# KiCad board MiniCalc_A.kicad_pcb (continued)
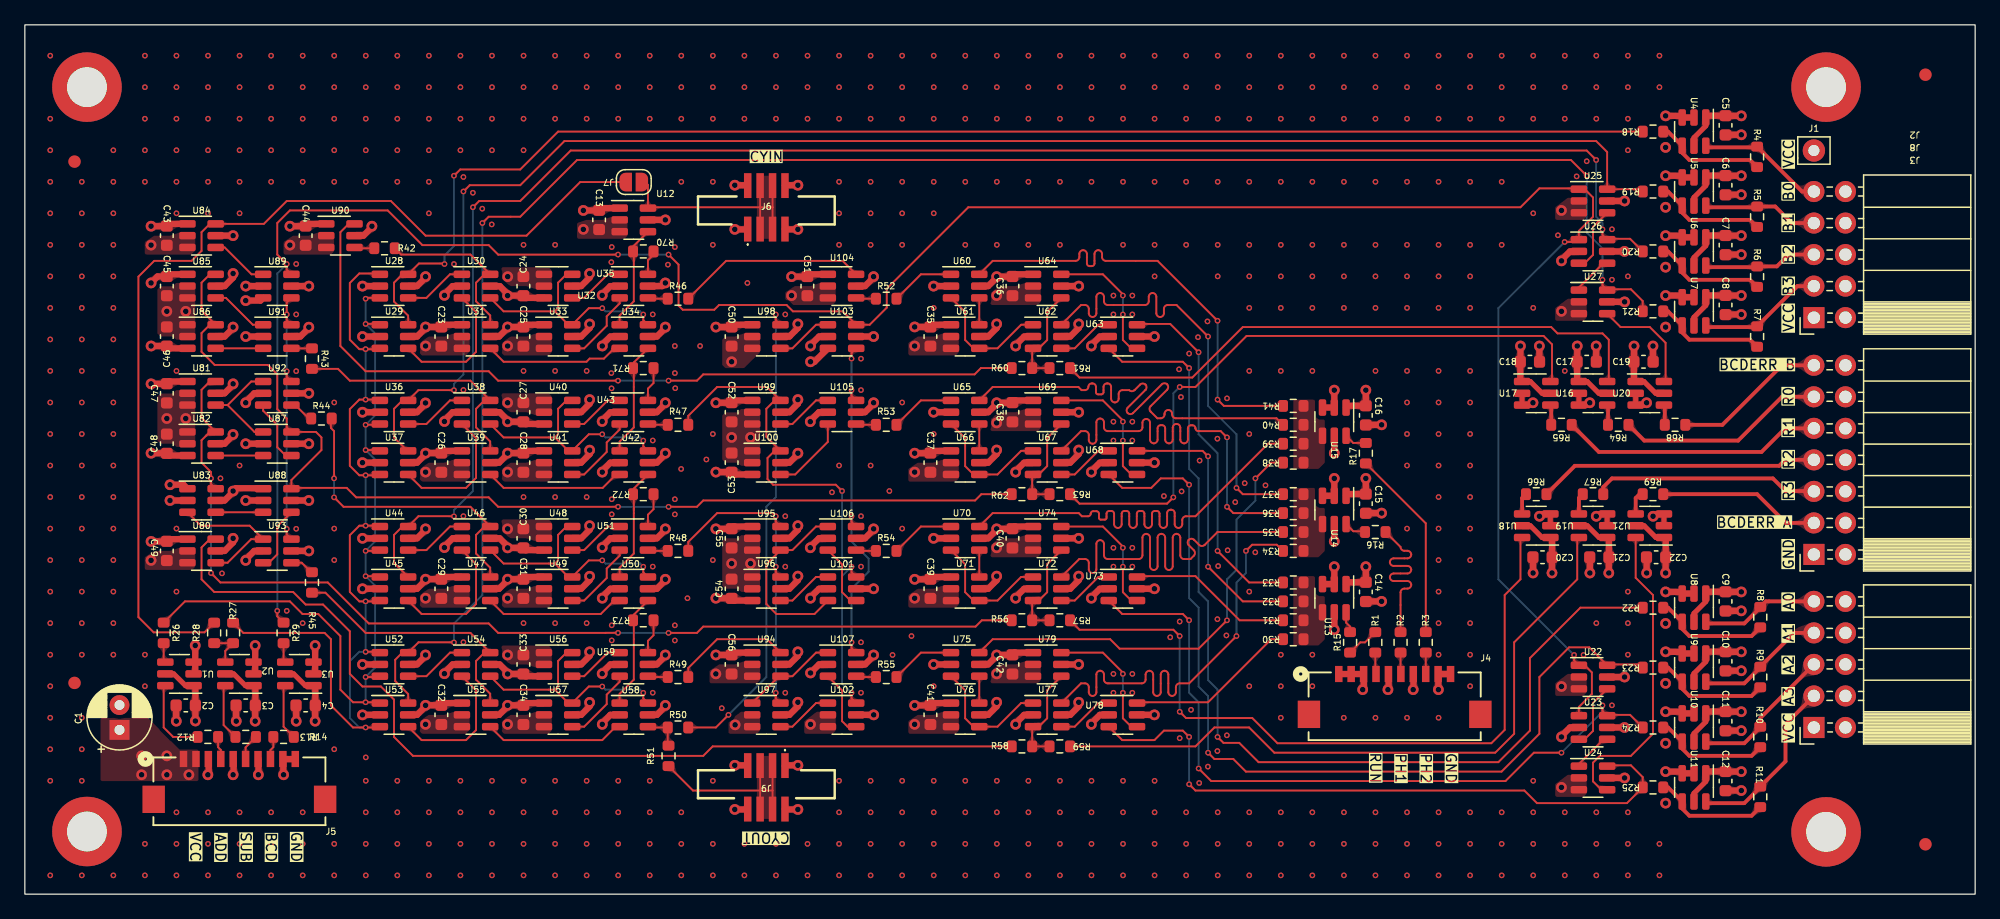
[diagram p0: board, top side]
## Nets (continued)
Net-(U25-Pad4): U25.4 U26.3
Net-(U26-Pad4): U26.4 U27.1
Net-(U28-Pad4): U28.4 U30.1
Net-(U29-Pad4): U29.4 U30.3
Net-(U30-Pad4): U30.4 U32.6 U33.6 U34.6
Net-(U31-Pad4): U31.4 U34.3
Net-(U32-Pad4): U32.4 U35.1
Net-(U33-Pad4): U33.4 U35.3
Net-(U36-Pad4): U36.4 U38.1
Net-(U37-Pad4): U37.4 U38.3
Net-(U38-Pad4): U38.4 U40.6 U41.6 U42.6
Net-(U39-Pad4): U39.4 U42.3
Net-(U40-Pad4): U40.4 U43.1
Net-(U41-Pad4): U41.4 U43.3
Net-(U44-Pad4): U44.4 U46.1
Net-(U45-Pad4): U45.4 U46.3
Net-(U46-Pad4): U46.4 U48.6 U49.6 U50.6
Net-(U47-Pad4): U47.4 U50.3
Net-(U48-Pad4): U48.4 U51.1
Net-(U49-Pad4): U49.4 U51.3
Net-(U52-Pad4): U52.4 U54.1
Net-(U53-Pad4): U53.4 U54.3
Net-(U54-Pad4): U54.4 U56.6 U57.6 U58.6
Net-(U55-Pad4): U55.4 U58.3
Net-(U56-Pad4): U56.4 U59.1
Net-(U57-Pad4): U57.4 U59.3
Net-(U60-Pad3): U60.3 U61.4 U62.1
Net-(U60-Pad4): U60.4 U61.6
Net-(U62-Pad4): U62.4 U63.1
Net-(U63-Pad4): U63.4 U64.6
Net-(U65-Pad3): U65.3 U66.4 U67.1
Net-(U65-Pad4): U65.4 U66.6
Net-(U67-Pad4): U67.4 U68.1
Net-(U68-Pad4): U68.4 U69.6
Net-(U70-Pad3): U70.3 U71.4 U72.1
Net-(U70-Pad4): U70.4 U71.6
Net-(U72-Pad4): U72.4 U73.1
Net-(U73-Pad4): U73.4 U74.6
Net-(U75-Pad3): U75.3 U76.4 U77.1
Net-(U75-Pad4): U75.4 U76.6
Net-(U77-Pad4): U77.4 U78.1
Net-(U78-Pad4): U78.4 U79.6
Net-(U80-Pad4): U80.4 U83.3 U93.1
Net-(U81-Pad4): U81.4 U87.1 U92.1
Net-(U82-Pad4): U82.4 U87.3
Net-(U83-Pad4): U83.4 U88.3
Net-(U84-Pad4): U84.4 U89.1
Net-(U85-Pad4): U85.4 U91.1
Net-(U86-Pad4): U86.4 U91.3
Net-(U87-Pad4): U87.4 U92.3
Net-(U88-Pad4): U88.4 U93.3
Net-(U100-Pad4): U100.4 U105.3
Net-(U101-Pad1): U96.4 U101.1
Net-(U101-Pad3): U95.4 U101.3 U106.1
Net-(U101-Pad4): U101.4 U106.3
Net-(U102-Pad1): U97.4 U102.1
Net-(U102-Pad4): U102.4 U107.3
Net-(U103-Pad1): U98.4 U103.1
Net-(U105-Pad1): U99.4 U105.1
Net-(U107-Pad1): U94.4 U97.1 U107.1

Pads without a net: H1 1; H2 1; H3 1; H4 1; J4 11 12; J5 11 12

## Via types
v1: diameter 0.457, hole 0.254, Top to Bottom, 755 vias
v2: diameter 0.864, hole 0.457, Top to Bottom, 288 vias

## Routing (per net, layer and track width the routed paths; a pad name or vN(x,y) marks a point on that pad's centre or on a via; arc(x,y) is an arc through that point)
GND: length 166.9
  Top w0.406: v2(121.93,30.45) 122.11,30.64 U18.3 U18.2 ; v2(125.98,39.59) 125.79,39.4 U16.3 U16.2 ; v2(131.07,30.45) 131.26,30.64 U21.3 U21.2 ; U19.2 U19.3 126.69,30.64 v2(126.5,30.45) ; U20.2 U20.3 130.36,39.4 v2(130.55,39.59) ; v2(121.41,39.59) 121.22,39.4 U17.3 U17.2
  Top w0.508: v2(27.18,48.99) U28.2 ; C6.2 136.92,56.36 v2(138.18,56.36) ; v2(105.41,26.38) U13.2 U13.3 ; v2(46.47,17.76) 46.47,17.85 47.13,18.51 U59.2 ; v2(121.41,25.88) 121.41,27.13 C20.2 ; U50.2 47.13,24.61 46.48,23.95 v2(46.48,23.84) ; v2(20.83,9.62) 20.81,9.64 20.81,10.88 21.81,10.88 ; v2(27.18,44.93) U29.2 ; U106.2 63.92,28.67 63.23,27.97 v2(63.23,27.91) ; U38.2 34.43,38.83 33.77,38.17 v2(33.77,38.08) ; 64.64,18.51 63.93,18.51 v2(63.25,17.82) ; U23.2 124.39,13.43 123.7,12.74 v2(123.7,12.67) ; v2(73.15,38.83) U65.2 ; J4.1 J4.3 ; U1.2 13.72,17.88 v2(13.72,20.03) ; U46.2 34.43,28.67 33.77,28.01 v2(33.77,27.92) ; 61.19,6.85 61.21,6.83 v2(62.23,6.83) ; v2(109.22,23.59) 107.96,23.59 C14.2 ; v2(132.08,19.53) 133.28,19.53 U9.3 U9.2 ; v2(132.08,57.88) 133.28,57.88 U5.3 U5.2 ; 136.91,22.81 136.92,22.83 v2(138.18,22.83) ; C15.2 107.96,30.7 v2(109.22,30.7) ; v2(73.15,28.67) U70.2 ; U11.2 U11.3 133.28,9.87 v2(132.08,9.87) ; U37.2 v2(27.18,34.77) ; v2(62.23,57.12) 61.22,57.12 J6.4 ; C4.2 21.84,15.19 v2(21.84,13.94) ; v2(126.49,44.16) 126.49,42.91 C17.2 ; v2(63.25,44.16) 63.25,44.24 63.93,44.93 U103.2 ; C22.2 130.56,27.13 v2(130.56,25.88) ; v2(105.41,33.5) U14.2 U14.3 ; U15.3 U15.2 v2(105.41,40.61) ; v2(79.76,23.84) 79.76,23.92 80.44,24.61 U72.2 ; U58.2 47.13,14.45 46.48,13.79 v2(46.48,13.68) ; U92.2 18.47,40.35 17.78,39.67 v2(17.78,39.59) ; v2(121.92,44.16) 121.92,42.91 C18.2 ; v2(111.76,16.48) 111.79,16.5 111.79,17.74 ; v2(11.68,31.72) U83.2 ; v2(79.76,34) 79.76,34.08 80.44,34.77 U67.2 ; v2(109.73,16.48) 109.79,16.54 109.79,17.74 ; U42.2 47.13,34.77 46.48,34.11 v2(46.48,34) ; 85.85,44.24 86.54,44.93 U63.2 ; U26.2 124.39,51.78 123.7,51.1 v2(123.7,51.02) ; v2(131.06,44.16) 131.06,42.91 C19.2 ; v2(16.76,9.62) 16.81,9.66 16.81,10.88 ; v2(57.15,10.38) 58.16,10.38 58.19,10.35 ; 85.85,23.92 86.54,24.61 U73.2 ; U6.2 U6.3 133.28,53.05 v2(132.08,53.05) ; C10.2 136.92,18 v2(138.18,18) ; v2(57.15,6.83) 58.17,6.83 58.19,6.85 ; v2(14.73,9.62) 14.81,9.69 14.81,10.88 ; v2(18.54,20.03) 18.54,17.88 U2.2 ; v2(125.98,25.88) 125.98,27.13 C21.2 ; v2(63.23,38.07) 63.23,38.13 63.92,38.83 U105.2 ; v2(138.18,51.53) 136.92,51.53 C7.2 ; U52.2 v2(27.18,18.51) ; 18.81,10.88 18.81,9.63 v2(18.8,9.62) ; v2(33.77,17.76) 33.77,17.85 34.43,18.51 U54.2 ; v2(132.08,14.7) 133.28,14.7 U10.3 U10.2 ; 61.19,10.35 61.22,10.38 v2(62.23,10.38) ; v2(17.78,48.99) U89.2 ; C11.2 136.92,13.18 v2(138.18,13.18) ; v2(138.18,8.35) 136.92,8.35 C12.2 ; J6.1 58.16,57.12 v2(57.15,57.12) ; v2(109.22,37.81) 107.96,37.81 C16.2 ; U4.2 U4.3 133.28,62.71 v2(132.08,62.71) ; v2(23.37,20.03) 23.37,17.88 U3.2 ; v2(46.47,38.08) 46.47,38.17 47.13,38.83 U43.2 ; v2(33.77,48.24) 33.77,48.33 34.43,48.99 U30.2 ; U44.2 v2(27.18,28.67) ; U53.2 v2(27.18,14.45) ; v2(62.23,53.56) 61.21,53.56 J6.4 ; v2(17.78,31.72) U88.2 ; v2(46.47,48.24) 46.47,48.33 47.13,48.99 U35.2 ; v2(113.79,16.48) 113.79,16.48 113.79,17.74 114.79,17.74 ; v2(132.08,24.35) 133.28,24.35 U8.3 U8.2 ; U68.2 86.54,34.77 85.85,34.08 ; v2(57.15,53.56) 58.17,53.56 J6.1 ; v2(46.47,27.92) 46.47,28.01 47.13,28.67 U51.2 ; v2(132.08,48.23) 133.28,48.23 U7.3 U7.2 ; v2(17.78,26.89) 17.78,26.97 18.47,27.65 U93.2 ; U78.2 86.54,14.45 85.85,13.76 ; v2(63.24,23.84) 63.24,23.91 63.93,24.61 U101.2 ; v2(138.18,61.18) 136.92,61.18 C5.2 ; U34.2 47.13,44.93 46.48,44.27 v2(46.48,44.16) ; U77.2 80.44,14.45 79.76,13.76 v2(79.76,13.68) ; v2(17.78,44.93) U91.2 ; 107.79,17.74 107.79,16.57 v2(107.7,16.48) ; U45.2 v2(27.18,24.61) ; v2(73.15,18.51) U75.2 ; U36.2 v2(27.18,38.83) ; v2(73.15,48.99) U60.2 ; v2(17.78,36.29) U87.2 ; C8.2 136.92,46.7 v2(138.18,46.7) ; 12.18,15.21 12.18,14.09 ; C3.2 17,13.95 ; v2(79.76,44.16) 79.76,44.24 80.44,44.93 U62.2
  vias: v1(2.04,67.55) v1(2.04,62.47) v1(2.04,59.93) v1(2.04,57.39) v1(2.04,54.85) v1(2.04,52.31) v1(2.04,49.77) v1(2.04,47.23) v1(2.04,44.69) v1(2.04,42.16) v1(2.04,39.61) v1(2.04,37.07) v1(2.04,34.53) v1(2.04,31.99) v1(2.04,29.45) v1(2.04,26.91) v1(2.04,24.38) v1(2.04,21.83) v1(2.04,19.29) v1(2.04,16.75) v1(2.04,14.21) v1(2.04,11.67) v1(2.04,9.13) v1(2.04,1.51) v1(4.58,57.39) v1(4.58,54.85) v1(4.58,52.31) v1(4.58,49.77) v1(4.58,47.23) v1(4.58,44.69) v1(4.58,42.16) v1(4.58,39.61) v1(4.58,37.07) v1(4.58,34.53) v1(4.58,31.99) v1(4.58,29.45) v1(4.58,26.91) v1(4.58,24.38) v1(4.58,21.83) v1(4.58,19.29) v1(4.58,14.21) v1(4.58,11.67) v1(4.58,9.13) v1(4.58,1.51) v1(7.12,59.93) v1(7.12,57.39) v1(7.12,54.85) v1(7.12,52.31) v1(7.12,49.77) v1(7.12,47.23) v1(7.12,44.69) v1(7.12,42.16) v1(7.12,39.61) v1(7.12,37.07) v1(7.12,34.53) v1(7.12,31.99) v1(7.12,29.45) v1(7.12,26.91) v1(7.12,24.38) v1(7.12,21.83) v1(7.12,19.29) v1(7.12,1.51) v1(9.66,67.55) v1(9.66,65.01) v1(9.66,62.47) v1(9.66,59.93) v1(9.66,57.39) v1(9.66,19.29) v1(9.66,16.75) v1(9.66,4.05) v1(9.66,1.51) v1(12.2,67.55) v1(12.2,65.01) v1(12.2,62.47) v1(12.2,59.93) v1(12.2,57.39) v1(12.2,54.85) v1(12.2,42.16) v1(12.2,29.45) v1(12.2,24.38) v1(12.2,6.59) v1(12.2,4.05) v1(12.2,1.51) v1(14.74,67.55) v1(14.74,65.01) v1(14.74,62.47) v1(14.74,59.93) v1(14.74,57.39) v1(14.74,54.85) v1(14.74,6.59) v1(14.74,4.05) v1(14.74,1.51) v1(15.75,33.5) v1(15.87,25.85) v1(17.28,67.55) v1(17.28,65.01) v1(17.28,62.47) v1(17.28,59.93) v1(17.28,57.39) v1(17.28,54.85) v1(17.28,34.53) v1(17.28,6.59) v1(17.28,4.05) v1(17.28,1.51) v1(19.82,67.55) v1(19.82,65.01) v1(19.82,62.47) v1(19.82,59.93) v1(19.82,57.39) v1(19.82,6.59) v1(19.82,4.05) v1(19.82,1.51) v1(21.08,22.83) v1(21.84,50.77) v1(21.84,46.71) v1(21.84,42.14) v1(21.84,29.44) v1(22.36,67.55) v1(22.36,65.01) v1(22.36,62.47) v1(22.36,59.93) v1(22.36,57.39) v1(22.36,21.83) v1(22.36,6.59) v1(22.36,4.05) v1(22.36,1.51) v1(24.91,67.55) v1(24.91,65.01) v1(24.91,62.47) v1(24.91,59.93) v1(24.91,57.39) v1(24.91,39.61) v1(24.91,29.45) v1(24.91,26.91) v1(24.91,11.67) v1(24.91,4.05) v1(24.91,1.51) v1(27.44,67.55) v1(27.44,65.01) v1(27.44,62.47) v1(27.44,59.93) v1(27.44,57.39) v1(27.44,11.02) v1(27.44,9.13) v1(27.44,6.59) v1(27.44,4.05) v1(27.44,1.51) v1(29.98,67.55) v1(29.98,65.01) v1(29.98,62.47) v1(29.98,59.93) v1(29.98,57.39) v1(29.98,9.13) v1(29.98,6.59) v1(29.98,4.05) v1(29.98,1.51) v1(32.52,67.55) v1(32.52,65.01) v1(32.52,62.47) v1(32.52,59.93) v1(32.52,57.39) v1(32.52,54.85) v1(32.52,9.13) v1(32.52,6.59) v1(32.52,4.05) v1(32.52,1.51) v1(34.54,50.77) v1(35.06,67.55) v1(35.06,65.01) v1(35.06,62.47) v1(35.06,59.93) v1(35.06,9.13) v1(35.06,6.59) v1(35.06,4.05) v1(35.06,1.51) v1(35.31,57.78) v1(35.31,40.62) v1(35.3,30.46) v1(35.31,20.3) v1(36.07,56.51) v1(36.82,55.23) v1(37.6,67.55) v1(37.6,65.01) v1(37.6,62.47) v1(37.6,59.93) v1(37.58,53.96) v1(37.6,9.13) v1(37.6,6.59) v1(37.6,4.05) v1(37.6,1.51) v1(40.14,67.55) v1(40.14,65.01) v1(40.14,62.47) v1(40.14,59.93) v1(40.14,52.31) v1(40.14,42.16) v1(40.14,31.99) v1(40.14,21.83) v1(40.14,9.13) v1(40.14,6.59) v1(40.14,4.05) v1(40.14,1.51) v1(42.69,67.55) v1(42.69,65.01) v1(42.69,62.47) v1(42.69,52.31) v1(42.69,42.16) v1(42.69,31.99) v1(42.69,21.83) v1(42.69,9.13) v1(42.69,6.59) v1(42.69,4.05) v1(42.69,1.51) v1(45.22,67.55) v1(45.22,65.01) v1(45.22,62.47) v1(45.22,42.16) v1(45.22,31.99) v1(45.22,21.83) v1(45.22,9.13) v1(45.22,6.59) v1(45.22,4.05) v1(45.22,1.51) v1(47.21,50.92) v1(47.21,41.98) v1(47.23,40.75) v1(47.25,52.13) v1(47.25,31.82) v1(47.24,30.6) v1(47.24,21.66) v1(47.24,20.45) v1(47.76,67.55) v1(47.76,65.01) v1(47.76,62.47) v1(47.76,9.13) v1(47.76,6.59) v1(47.76,4.05) v1(47.76,1.51) v1(50.3,67.55) v1(50.3,65.01) v1(50.3,62.47) v1(50.3,9.13) v1(50.3,6.59) v1(50.3,4.05) v1(50.3,1.51) v1(50.55,46.71) v1(50.55,36.55) v1(50.55,26.39) v1(50.55,16.23) v1(51.77,50.72) v1(52.33,52.13) v1(52.32,44.16) v1(52.33,41.98) v1(52.33,31.82) v1(52.32,30.6) v1(52.32,21.66) v1(52.32,20.44) v1(52.36,40.76) v1(52.84,67.55) v1(52.84,65.01) v1(52.84,62.47) v1(52.84,57.39) v1(52.83,34.26) v1(52.84,6.59) v1(52.84,4.05) v1(52.84,1.51) v1(53.34,23.84) v1(54.36,44.16) v1(54.86,35.02) v1(55.38,67.55) v1(55.38,65.01) v1(55.38,62.47) v1(55.38,57.39) v1(55.38,52.31) v1(55.38,37.07) v1(55.38,26.91) v1(55.38,9.13) v1(55.38,4.05) v1(55.38,1.51) v1(56.1,14.98) v1(57.92,67.55) v1(57.92,65.01) v1(57.92,62.47) v1(57.92,4.05) v1(57.92,1.51) v1(58.17,49.24) v1(60.47,67.55) v1(60.47,65.01) v1(60.47,62.47) v1(60.47,4.05) v1(60.47,1.51) v1(61.21,46.71) v1(61.21,30.45) v1(61.21,26.39) v1(61.21,16.23) v1(63,67.55) v1(63,65.01) v1(63,62.47) v1(63,4.05) v1(63,1.51) v1(64.97,32.38) v1(65.54,67.55) v1(65.54,65.01) v1(65.54,62.47) v1(65.54,57.39) v1(65.54,54.85) v1(65.54,52.31) v1(65.54,34.53) v1(65.54,9.13) v1(65.54,6.59) v1(65.54,4.05) v1(65.54,1.51) v1(67.31,43.14) v1(67.31,40.61) v1(67.31,30.45) v1(67.31,26.39) v1(67.31,20.29) v1(67.31,16.23) v1(68.08,67.55) v1(68.08,65.01) v1(68.08,62.47) v1(68.08,57.39) v1(68.08,54.85) v1(68.08,52.31) v1(68.08,34.53) v1(68.08,9.13) v1(68.08,6.59) v1(68.08,4.05) v1(68.08,1.51) v1(69.6,32.48) v1(69.85,19.27) v1(70.62,67.55) v1(70.62,65.01) v1(70.62,62.47) v1(70.62,57.39) v1(70.62,54.85) v1(70.62,52.31) v1(70.62,39.61) v1(70.62,29.45) v1(70.62,9.13) v1(70.62,6.59) v1(70.62,4.05) v1(70.62,1.51) v1(71.37,20.8) v1(73.16,67.55) v1(73.16,65.01) v1(73.16,62.47) v1(73.16,57.39) v1(73.16,54.85) v1(73.16,47.23) v1(73.16,37.07) v1(73.16,16.75) v1(73.16,9.13) v1(73.16,6.59) v1(73.16,4.05) v1(73.16,1.51) v1(75.7,67.55) v1(75.7,65.01) v1(75.7,62.47) v1(75.7,57.39) v1(75.7,52.31) v1(75.7,9.13) v1(75.7,6.59) v1(75.7,4.05) v1(75.7,1.51) v1(78.24,67.55) v1(78.24,65.01) v1(78.24,62.47) v1(78.24,57.39) v1(78.24,52.31) v1(78.24,9.13) v1(78.24,6.59) v1(78.24,4.05) v1(78.24,1.51) v1(80.78,67.55) v1(80.78,65.01) v1(80.78,62.47) v1(80.78,57.39) v1(80.78,52.31) v1(80.78,9.13) v1(80.78,6.59) v1(80.78,4.05) v1(80.78,1.51) v1(83.32,67.55) v1(83.32,65.01) v1(83.32,62.47) v1(83.32,57.39) v1(83.32,52.31) v1(83.32,9.13) v1(83.32,6.59) v1(83.32,4.05) v1(83.32,1.51) v1(85.86,67.55) v1(85.86,65.01) v1(85.86,62.47) v1(85.86,57.39) v1(85.86,9.13) v1(85.86,6.59) v1(85.86,4.05) v1(85.86,1.51) v1(87.63,48.23) v1(87.63,46.71) v1(87.63,38.07) v1(87.63,36.55) v1(87.63,27.91) v1(87.63,26.39) v1(87.63,17.75) v1(87.63,16.23) v1(88.41,67.55) v1(88.41,65.01) v1(88.41,62.47) v1(88.41,57.39) v1(88.41,52.31) v1(88.41,9.13) v1(88.41,6.59) v1(88.41,4.05) v1(88.41,1.51) v1(89.15,48.23) v1(89.15,46.71) v1(89.15,38.07) v1(89.15,36.55) v1(89.15,27.91) v1(89.15,26.39) v1(89.15,17.75) v1(89.15,16.23) v1(90.94,67.55) v1(90.94,65.01) v1(90.94,62.47) v1(90.94,57.39) v1(90.94,52.31) v1(90.94,49.77) v1(90.94,9.13) v1(90.94,6.59) v1(90.94,4.05) v1(90.94,1.51) v1(91.69,32.07) v1(92.2,20.69) v1(92.91,42.28) v1(92.96,21.96) v1(92.96,12.57) v1(93.07,40.05) v1(93.12,32.45) v1(93.48,67.55) v1(93.48,65.01) v1(93.48,62.47) v1(93.48,57.39) v1(93.48,52.31) v1(93.48,6.59) v1(93.48,4.05) v1(93.48,1.51) v1(93.73,43.55) v1(93.88,14.85) v1(94.44,44.88) v1(94.57,34.93) v1(94.54,8.96) v1(95.2,46.15) v1(95.23,10.28) v1(96.03,67.55) v1(96.03,65.01) v1(96.03,62.47) v1(96.03,57.39) v1(96.03,52.31) v1(96.03,49.77) v1(96,36.7) v1(96,22.16) v1(96,11.53) v1(96.03,6.59) v1(96.03,4.05) v1(96.03,1.51) v1(96.06,26.43) v1(96.72,20.85) v1(96.77,39.95) v1(96.82,27.7) v1(96.76,12.8) v1(97.44,31.59) v1(98.2,33.11) v1(98.56,67.55) v1(98.56,65.01) v1(98.56,62.47) v1(98.56,57.39) v1(98.56,52.31) v1(98.56,49.77) v1(98.56,47.23) v1(98.56,42.16) v1(98.56,37.07) v1(98.56,24.38) v1(98.56,16.75) v1(98.56,6.59) v1(98.56,4.05) v1(98.56,1.51) v1(99.05,27.54) v1(99.87,32.94) v1(101.1,67.55) v1(101.1,65.01) v1(101.1,62.47) v1(101.1,57.39) v1(101.1,52.31) v1(101.1,49.77) v1(101.1,47.23) v1(101.1,42.16) v1(101.1,19.29) v1(101.1,16.75) v1(101.1,14.21) v1(101.1,6.59) v1(101.1,4.05) v1(101.1,1.51) v1(103.65,67.55) v1(103.65,65.01) v1(103.65,62.47) v1(103.65,57.39) v1(103.65,52.31) v1(103.65,49.77) v1(103.65,47.23) v1(103.65,42.16) v1(103.65,19.29) v1(103.65,16.75) v1(103.65,6.59) v1(103.65,4.05) v1(103.65,1.51) v1(106.18,67.55) v1(106.18,65.01) v1(106.18,62.47) v1(106.18,57.39) v1(106.18,52.31) v1(106.18,49.77) v1(106.18,47.23) v1(106.17,14.21) v1(106.18,6.59) v1(106.18,4.05) v1(106.18,1.51) v1(108.72,67.55) v1(108.72,65.01) v1(108.72,62.47) v1(108.72,57.39) v1(108.72,52.31) v1(108.72,49.77) v1(108.72,47.23) v1(108.72,42.16) v1(108.72,14.21) v1(108.72,6.59) v1(108.72,4.05) v1(108.72,1.51) v1(111.27,67.55) v1(111.27,65.01) v1(111.27,62.47) v1(111.27,57.39) v1(111.27,52.31) v1(111.27,49.77) v1(111.27,47.23) v1(111.27,42.16) v1(111.27,39.61) v1(111.27,37.07) v1(111.27,34.53) v1(111.27,29.45) v1(111.27,14.21) v1(111.27,6.59) v1(111.27,4.05) v1(111.27,1.51) v1(113.8,67.55) v1(113.8,65.01) v1(113.8,62.47) v1(113.8,57.39) v1(113.8,52.31) v1(113.8,49.77) v1(113.8,47.23) v1(113.8,42.16) v1(113.8,39.61) v1(113.8,37.07) v1(113.8,34.53) v1(113.8,31.99) v1(113.8,29.45) v1(113.8,26.91) v1(113.8,24.38) v1(113.8,21.83) v1(113.8,19.29) v1(113.8,14.21) v1(113.8,6.59) v1(113.8,4.05) v1(113.8,1.51) v1(116.34,67.55) v1(116.34,65.01) v1(116.34,62.47) v1(116.34,57.39) v1(116.34,52.31) v1(116.34,49.77) v1(116.34,47.23) v1(116.34,42.16) v1(116.34,39.61) v1(116.34,37.07) v1(116.34,34.53) v1(116.34,31.99) v1(116.34,29.45) v1(116.34,26.91) v1(116.34,24.38) v1(116.34,21.83) v1(116.34,19.29) v1(116.34,16.75) v1(116.34,6.59) v1(116.34,4.05) v1(116.34,1.51) v1(118.88,67.55) v1(118.88,65.01) v1(118.88,62.47) v1(118.88,57.39) v1(118.88,52.31) v1(118.88,6.59) v1(118.88,4.05) v1(118.88,1.51) v1(121.42,67.55) v1(121.42,65.01) v1(121.42,62.47) v1(121.42,54.85) v1(121.42,47.23) v1(121.42,9.13) v1(121.42,6.59) v1(121.42,4.05) v1(121.42,1.51) v1(123.41,53.08) v1(123.97,67.55) v1(123.97,65.01) v1(123.97,62.47) v1(123.97,42.16) v1(123.97,6.59) v1(123.97,4.05) v1(123.97,1.51) v1(124.92,57.83) v1(125.48,19.28) v1(125.73,59.05) v1(126.5,67.55) v1(126.5,65.01) v1(126.5,62.47) v1(126.5,21.83) v1(126.5,6.59) v1(126.5,4.05) v1(126.5,1.51) v1(127.76,53.57) v1(127.76,49.5) v1(127.76,15.22) v1(129.04,67.55) v1(129.04,65.01) v1(129.04,62.47) v1(129.04,59.93) v1(129.04,49.77) v1(129.04,24.38) v1(129.04,21.83) v1(129.04,19.29) v1(129.04,6.59) v1(129.04,4.05) v1(129.04,1.51) v1(131.59,67.55) v1(131.59,65.01) v1(131.59,4.05) v1(131.59,1.51) v2(10.16,52.29) v2(10.16,26.89) v2(11.43,46.96) v2(11.43,38.32) v2(12.19,13.94) v2(12.95,46.96) v2(12.95,38.32) v2(17.02,13.94) v2(21.34,52.29) v2(32.26,44.16) v2(32.26,34) v2(32.26,23.84) v2(32.26,13.68) v2(38.87,49.75) v2(38.86,44.16) v2(38.86,39.59) v2(38.86,34) v2(38.86,29.43) v2(38.86,23.84) v2(38.86,19.27) v2(38.86,13.68) v2(44.96,53.56) v2(55.63,17.75) v2(56.9,42.89) v2(56.9,36.8) v2(56.9,26.64) v2(57.18,13.64) v2(58.42,36.8) v2(58.42,26.64) v2(61.72,48.23) v2(63.25,13.68) v2(71.63,44.16) v2(71.63,34) v2(71.63,23.84) v2(71.63,13.68) v2(78.23,37.97) v2(78.23,48.23) v2(78.23,27.91) v2(78.23,17.75) v2(85.85,44.16) v2(85.85,34) v2(85.85,23.84) v2(85.85,13.68) v2(123.7,55.09) v2(123.7,46.96) v2(123.7,16.73) v2(123.7,8.6) v2(132.08,60.17) v2(132.08,55.34) v2(132.08,50.51) v2(132.08,45.69) v2(132.08,21.81) v2(132.08,16.99) v2(132.08,12.16) v2(132.08,7.33)
VCC: length 371.5
  Top w0.406: U3.5 21.64,17.75 22.59,16.8 U3.1 ; U16.5 126.71,40.35 125.76,41.3 U16.1 ; U2.1 17.76,16.8 16.81,17.75 U2.5 ; U1.1 12.94,16.8 11.99,17.75 U1.5 ; U18.5 121.19,29.69 122.14,28.74 U18.1 ; U9.1 135.32,18.73 134.37,17.78 U9.5 ; U21.5 130.35,29.69 131.3,28.74 U21.1 ; U10.1 135.32,13.89 134.37,12.94 U10.5 ; U17.5 122.14,40.35 121.19,41.3 U17.1 ; U6.1 135.32,52.24 134.37,51.29 U6.5 ; U20.5 131.28,40.35 130.33,41.3 U20.1 ; U4.5 134.37,60.95 135.32,61.9 U4.1 ; U7.5 134.37,46.48 135.32,47.43 U7.1 ; U11.5 134.37,8.13 135.32,9.08 U11.1 ; U8.1 135.32,23.57 134.37,22.62 U8.5 ; U19.1 126.73,28.74 125.78,29.69 U19.5 ; U5.5 134.37,56.13 135.32,57.08 U5.1
  Top w0.508: v2(128.78,55.85) U25.5 ; v2(10.16,41.12) 11.42,41.12 C47.1 11.6,41.3 U81.1 ; v2(23.37,13.94) 23.37,15.19 C4.1 23.38,16.65 U3.1 ; v2(55.63,19.27) 56.88,19.27 C56.1 57.07,19.46 U94.1 ; U67.5 84.15,34.77 84.84,35.45 v2(84.84,35.78) ; U81.5 16.08,40.35 16.76,41.04 v2(16.76,41.12) ; U95.5 61.55,28.67 62.23,29.35 v2(62.23,29.69) ; U1.1 13.73,16.65 C2.1 v2(13.73,13.95) ; v2(138.18,62.71) 136.92,62.71 C5.1 135.46,62.72 U4.1 ; v2(22.86,27.65) U93.5 ; U52.5 31.57,18.51 32.26,19.19 v2(32.26,19.27) ; U70.5 77.55,28.67 78.23,29.35 v2(78.23,29.43) 79.49,29.43 C40.1 79.68,29.62 U74.1 ; U53.5 31.57,14.45 32.26,15.13 v2(32.26,15.22) 32.26,15.22 33.53,15.22 33.7,15.4 U55.1 ; U77.5 84.15,14.45 84.84,15.13 v2(84.84,15.46) ; U105.5 67.63,38.83 68.33,39.52 v2(68.33,39.59) ; v2(17.78,47.82) 18.96,47.82 U89.3 ; U80.1 11.6,28.6 C49.1 11.42,28.42 v2(10.16,28.42) ; v2(138.18,9.87) 136.92,9.87 C12.1 135.46,9.89 U11.1 ; v2(55.63,29.43) 56.88,29.43 C55.1 57.07,29.62 U95.1 ; U35.5 51.31,48.99 v2(51.56,49.24) ; v2(32.25,39.58) 32.25,39.51 31.57,38.83 U36.5 ; U98.5 61.55,44.93 62.23,45.61 v2(62.23,45.94) ; U99.5 61.55,38.83 62.23,39.51 v2(62.23,39.85) ; v2(22.86,31.72) U88.5 ; U20.1 129.53,41.45 C19.1 129.54,42.91 v2(129.54,44.16) ; v2(138.18,24.35) 136.92,24.35 C9.1 135.46,24.36 U8.1 ; U98.1 57.07,45.88 C50.1 56.88,45.69 v2(55.63,45.69) ; v2(51.56,39.59) 51.56,39.51 50.88,38.83 U43.5 ; v2(124.97,44.16) 124.97,42.91 C17.1 124.96,41.45 U16.1 ; U91.5 22.18,44.93 22.86,45.61 v2(22.86,45.68) ; U61.5 77.55,44.93 78.23,45.61 v2(78.23,45.94) ; v2(128.78,9.37) U24.5 ; U9.1 135.46,19.54 C10.1 136.92,19.53 v2(138.18,19.53) ; U94.5 61.55,18.51 62.23,19.19 v2(62.23,19.53) ; U13.1 106.51,25.13 C14.1 v2(107.95,26.38) ; v2(68.33,44.93) U103.5 ; U76.5 77.55,14.45 78.23,15.13 v2(78.23,15.46) ; U17.1 120.38,41.45 C18.1 120.4,42.91 v2(120.4,44.16) ; v2(61.72,49.75) 62.98,49.75 C51.1 63.17,49.94 U104.1 ; v2(45.47,50.01) 45.47,49.67 44.78,48.99 U32.5 ; v2(62.23,25.62) 62.23,25.29 61.55,24.61 U96.5 ; U40.5 44.78,38.83 45.47,39.51 v2(45.47,39.85) ; v2(71.63,25.37) 72.88,25.37 C39.1 73.07,25.56 U71.1 ; U72.5 84.15,24.61 84.84,25.29 v2(84.84,25.62) ; U46.5 38.22,28.67 38.86,28.03 v2(38.86,27.9) 40.13,27.9 C30.1 40.31,27.72 U48.3 ; v2(16.76,45.69) 16.76,45.61 16.08,44.93 U86.5 ; v2(10.16,49.24) 10.68,49.76 C45.1 11.6,49.94 U85.1 ; v2(62.23,35.53) 62.23,35.45 61.55,34.77 U100.5 ; v2(84.84,28.67) U74.5 ; U33.5 44.78,44.93 45.47,45.61 v2(45.47,45.93) ; U41.5 44.78,34.77 45.47,35.45 v2(45.47,35.77) ; U76.1 73.07,15.4 72.88,15.21 v2(71.63,15.21) ; v2(10.16,53.82) 11.42,53.82 C43.1 11.6,54 U84.1 ; U104.5 67.63,48.99 68.32,49.68 v2(68.32,49.75) ; v2(128.78,17.49) U22.5 ; U30.5 38.23,48.99 38.86,48.36 v2(38.86,48.22) 40.13,48.22 C24.1 40.31,48.04 U32.3 ; U48.5 44.78,28.67 45.47,29.35 v2(45.47,29.69) ; v2(84.84,18.51) U79.5 ; v2(138.18,14.7) 136.92,14.7 C11.1 135.46,14.71 U10.1 ; v2(78.23,25.62) 78.23,25.29 77.55,24.61 U71.5 ; U66.1 73.07,35.72 C37.1 72.88,35.53 v2(71.63,35.53) ; U54.5 38.22,18.51 38.86,17.87 v2(38.86,17.74) 40.13,17.74 C33.1 40.31,17.56 U56.3 ; v2(45.47,25.61) 45.47,25.29 44.78,24.61 U49.5 ; U15.1 106.51,39.35 C16.1 v2(107.95,40.61) ; v2(84.84,38.83) U69.5 ; v2(10.16,44.16) 11.42,44.16 C46.1 11.6,43.98 U86.3 ; U90.1 22.78,54 C44.1 22.59,53.82 v2(21.34,53.82) ; U14.1 106.51,32.24 C15.1 v2(107.95,33.5) ; U97.5 61.55,14.45 62.23,15.13 v2(62.23,15.46) ; v2(16.76,50.01) 16.76,49.67 16.08,48.99 U85.5 ; v2(51.56,19.27) 51.56,19.19 50.88,18.51 U59.5 ; U33.1 40.31,45.88 C25.1 40.13,45.7 v2(38.86,45.7) 38.86,45.61 38.18,44.93 U31.5 ; U39.1 33.7,35.72 C26.1 32.26,35.54 v2(32.26,35.54) 32.26,35.45 31.57,34.77 U37.5 ; U82.3 11.6,35.34 C48.1 11.42,35.53 v2(10.16,35.53) ; v2(138.18,57.88) 136.92,57.88 C6.1 135.46,57.89 U5.1 ; v2(138.18,53.05) 136.92,53.05 C7.1 135.46,53.07 U6.1 ; U56.5 44.78,18.51 45.47,19.19 v2(45.47,19.53) ; v2(32.26,29.43) 32.26,29.35 31.57,28.67 U44.5 ; v2(11.68,32.99) 12.77,32.99 U83.1 ; U42.5 50.88,34.77 51.56,35.45 v2(51.56,35.53) ; U49.1 40.31,25.56 C31.1 40.13,25.38 v2(38.86,25.38) 38.86,25.29 38.18,24.61 U47.5 ; v2(51.56,54.32) U12.5 ; v2(51.56,15.21) 51.56,15.13 50.88,14.45 U58.5 ; v2(68.33,24.61) U101.5 ; U79.1 79.68,19.46 C42.1 79.49,19.27 v2(78.23,19.27) 78.23,19.19 77.55,18.51 U75.5 ; U62.5 84.15,44.93 84.84,45.61 v2(84.84,45.94) ; v2(90.93,34.77) U68.5 ; U55.5 38.18,14.45 38.86,15.13 v2(38.86,15.22) 40.13,15.22 40.31,15.4 U57.1 ; U47.1 33.7,25.56 C29.1 32.26,25.38 v2(32.26,25.38) 32.26,25.29 31.57,24.61 U45.5 ; v2(44.96,55.09) 46.22,55.09 C13.1 46.4,55.27 U12.1 ; U19.1 127.52,28.59 C21.1 127.51,27.13 v2(127.51,25.88) ; v2(55.63,23.84) 56.88,23.84 C54.1 57.07,23.66 U96.3 ; v2(16.76,37.04) 16.76,36.97 16.08,36.29 U82.5 ; v2(22.86,48.99) U89.5 ; U57.5 44.78,14.45 45.47,15.13 v2(45.47,15.45) ; U28.5 31.57,48.99 32.26,49.67 v2(32.26,49.75) ; v2(27.94,53.82) 27.94,53.74 27.26,53.05 U90.5 ; U100.3 57.07,33.82 C53.1 56.88,34 v2(55.63,34) ; v2(22.86,40.35) U92.5 ; v2(90.93,44.93) U63.5 ; v2(22.86,36.29) U87.5 ; v2(132.08,25.88) 132.08,27.13 C22.1 132.09,28.59 U21.1 ; v2(71.63,45.7) C35.1 73.07,45.88 U61.1 ; U38.5 38.22,38.83 38.86,38.19 v2(38.86,38.06) 40.13,38.06 C27.1 40.31,37.88 U40.3 ; U64.1 79.68,49.94 C36.1 79.49,49.75 v2(78.23,49.75) 78.23,49.67 77.55,48.99 U60.5 ; U14.5 v2(105.41,28.42) ; U2.1 18.55,16.65 C3.1 18.54,15.19 v2(18.54,13.94) ; v2(90.93,14.45) U78.5 ; v2(51.56,45.69) 51.56,45.61 50.88,44.93 U34.5 ; v2(128.78,13.43) U23.5 ; U13.5 v2(105.41,21.3) ; U15.5 v2(105.41,35.53) ; U80.5 16.08,27.65 16.76,28.34 v2(16.76,28.67) ; v2(138.18,48.23) 136.92,48.23 C8.1 135.46,48.24 U7.1 ; U106.5 67.63,28.67 68.33,29.36 v2(68.33,29.43) ; v2(63.25,42.89) 63.57,42.89 U103.3 ; U31.1 33.7,45.88 C23.1 33.52,45.7 v2(32.26,45.7) 32.26,45.61 31.57,44.93 U29.5 ; U83.5 16.08,31.72 16.76,32.4 v2(16.76,32.48) 16.99,32.71 19.14,32.71 U88.1 ; v2(84.84,48.99) U64.5 ; v2(122.94,25.88) 122.94,27.13 C20.1 122.95,28.59 U18.1 ; v2(78.23,35.78) 78.23,35.45 77.55,34.77 U66.5 ; U39.5 38.18,34.77 38.86,35.45 v2(38.86,35.54) 40.13,35.54 C28.1 40.31,35.72 U41.1 ; U99.1 57.07,39.78 C52.1 56.88,39.59 v2(55.63,39.59) ; v2(51.56,29.43) 51.56,29.35 50.88,28.67 U51.5 ; v2(16.76,53.05) U84.5 ; U69.1 79.68,39.78 C38.1 79.49,39.59 v2(78.23,39.59) 78.23,39.51 77.55,38.83 U65.5 ; v2(68.33,14.45) U102.5 ; U107.5 67.64,18.51 68.33,19.19 v2(68.33,19.27) ; v2(128.78,47.72) U27.5 ; v2(51.56,25.37) 51.56,25.29 50.88,24.61 U50.5 ; v2(128.78,51.78) U26.5 ; v2(90.93,24.61) U73.5
  vias: v2(9.4,11.14) v2(9.4,9.62) v2(11.43,11.14) v2(11.43,9.62) v2(13.21,9.62)
/A0: length 81.2
  Top w0.152: R22.2 125.22,23.08 121.16,19.02 121.16,13.18 118.62,10.64 99.31,10.64 97.76,12.19 96.49,12.19 v1(96.01,12.67) ; v1(93.73,42.39) 93.22,42.89 88.34,42.89 U63.3
  Bottom w0.152: v1(93.73,42.39) 93.73,34.26 94.49,33.5 94.49,24.35 95.25,23.59 95.25,17.24 96.01,16.48 96.01,12.92
/A1: length 72.6
  Top w0.152: R23.2 129.98,18.51 127.44,18.51 U22.6 125.93,19.89 124.31,19.89 121.92,17.49 121.92,12.92 118.87,9.87 98.3,9.87 97.28,10.89 95.76,10.89 v1(95.25,11.4) ; U68.3 88.34,32.73 90.68,32.73 91.44,33.5 93.22,33.5 v1(93.73,32.99)
  Bottom w0.152: v1(93.73,32.99) 93.73,23.84 94.49,23.08 94.49,16.73 95.25,15.97 95.25,11.65
/A2: length 59.2
  Top w0.152: v1(93.73,22.07) 93.22,22.57 88.34,22.57 U73.3 ; R24.2 129.22,14.45 127.44,14.45 U23.6 127,14.76 v1(127,15.21) ; v1(123.7,11.4) 121.48,11.4 119.19,9.11 95.5,9.11 v1(94.49,10.13)
  Bottom w0.152: v1(127,15.21) 127,14.7 v1(123.7,11.4) ; 94.49,10.38 94.49,15.46 93.73,16.22 v1(93.73,22.07)
/A3: length 53
  Top w0.152: U78.3 88.34,12.41 90.93,12.41 91.69,13.18 93.22,13.18 v1(93.73,12.67) ; U24.6 127.44,10.38 129.29,10.38 130.24,9.43 R25.2 128.97,7.33 121.73,7.33 120.71,8.35 94.23,8.35 v1(93.73,8.86)
  Bottom w0.152: v1(93.73,8.86) v1(93.73,12.67)
/ADD: length 66.8
  Top w0.152: U36.3 28.51,37.81 v1(27.43,37.81) ; v1(27.43,47.97) 27.5,48.04 U28.3 28.51,47.97 ; U44.3 28.51,27.65 v1(27.43,27.65) ; v1(27.43,45.94) 28.51,45.94 U29.1 ; v1(27.43,25.62) 28.51,25.62 U45.1 ; U52.3 28.51,17.49 v1(27.43,17.49) ; v1(27.43,35.78) 28.51,35.78 U37.1 ; 11.18,21.88 12.89,23.59 21.34,23.59 22.35,22.57 23.62,22.57 25.4,20.8 25.4,16.48 26.42,15.46 v1(27.43,15.46) 28.51,15.46 U53.1
  Bottom w0.152: v1(27.43,15.46) v1(27.43,17.49) 28.19,18.26 28.19,24.86 v1(27.43,25.62) v1(27.43,27.65) 28.19,28.42 28.19,35.02 v1(27.43,35.78) v1(27.43,37.81) 28.19,38.58 28.19,45.18 v1(27.43,45.94) v1(27.43,47.97)
/B0: length 113.2
  Top w0.152: v1(34.54,57.88) 35.05,58.39 39.88,58.39 42.93,61.44 R18.2 ; U29.6 30.86,46.61 29.72,47.75 29.72,49.27 30.39,49.94 U28.6 31.73,50.81 33.74,50.81 v1(33.78,50.77)
  Bottom w0.152: v1(33.78,50.77) 33.78,51.45 34.54,52.22 v1(34.54,57.88)
/B1: length 125.7
  Top w0.152: U37.6 30.8,35.72 29.72,36.8 29.72,39.11 30.39,39.78 U36.6 31.68,40.61 v1(34.54,40.61) ; R19.2 130.05,56.8 U25.6 127.38,59.79 126.49,60.67 43.43,60.67 39.88,57.12 35.81,57.12 v1(35.31,56.61)
  Bottom w0.152: v1(35.31,56.61) 35.31,41.88 34.54,41.12 v1(34.54,40.61)
/B2: length 137.6
  Top w0.152: v1(36.07,55.34) 36.58,55.85 39.88,55.85 43.94,59.91 125.73,59.91 v1(126.49,59.15) ; U45.6 29.72,26.69 29.72,28.95 30.39,29.62 U44.6 31.69,30.45 34.53,30.45 v1(34.54,30.44) ; v1(127,53.56) 127,53.11 U26.6 127.44,52.8 129.22,52.8 R20.2
  Bottom w0.152: v1(36.07,55.34) 36.07,32.48 34.54,30.95 v1(34.54,30.44) ; v1(126.49,59.15) 126.49,54.58 127,54.07 v1(127,53.56)
/B3: length 149.5
  Top w0.152: v1(36.83,54.07) 37.34,54.58 39.88,54.58 44.45,59.15 124.46,59.15 v1(125.73,57.88) ; v1(34.54,20.28) 34.53,20.29 31.69,20.29 U52.6 30.39,19.46 29.81,18.88 29.81,17.17 30.86,16.13 U53.6 ; v1(127,49.5) 127,49.05 U27.6 127.44,48.74 129.29,48.74 130.24,47.78 R21.2
  Bottom w0.152: v1(34.54,20.28) 34.54,21.81 36.83,24.1 v1(36.83,54.07) ; v1(125.73,57.88) 125.73,53.31 127,52.04 v1(127,49.5)
/BCD: length 201.5
  Top w0.152: v1(124.71,19.27) 124.71,18.83 U22.1 125.56,18.44 126.14,17.86 126.14,16.13 125.1,15.09 U23.1 ; v1(123.95,52.55) 124.91,52.55 U26.1 125.1,53.44 126.24,54.58 126.24,56.13 125.57,56.8 U25.1 125.03,56.86 121.92,56.86 120.4,55.34 75.95,55.34 69.39,48.78 69.39,47.26 68.01,45.88 U103.6 65.84,46.96 61.83,46.96 61.32,47.47 55.88,47.47 55.5,47.08 52.96,47.08 52.62,47.42 52.62,50.72 v1(51.82,51.53) ; v1(47.75,51.53) 47.75,51.53 38.1,51.53 37.34,52.29 32,52.29 29.21,55.09 21.34,55.09 20.32,54.07 20.32,51.53 v1(21.08,50.77) 21.08,50.32 U89.6 21.4,49.94 ; v1(20.32,22.83) 20.32,22.38 20.83,21.88
  Bottom w0.152: v1(21.08,50.77) 20.32,50.01 v1(20.32,22.83) ; v1(123.95,52.55) 118.62,47.21 118.62,25.37 v1(124.71,19.27) ; v1(47.75,51.53) v1(51.82,51.53)
